# Altium PCB 直立车-PCB.PcbDoc
Units mm, origin at the board's own origin, x right, y up, seen from the top; angles counter-clockwise.
Board outline 72.2 x 39.8 mm, 2 copper layers (Top Layer, Bottom Layer); 118 components, 108 nets, 418 pads, 463 vias.
Unrouted connection lines stored in the file: 110.
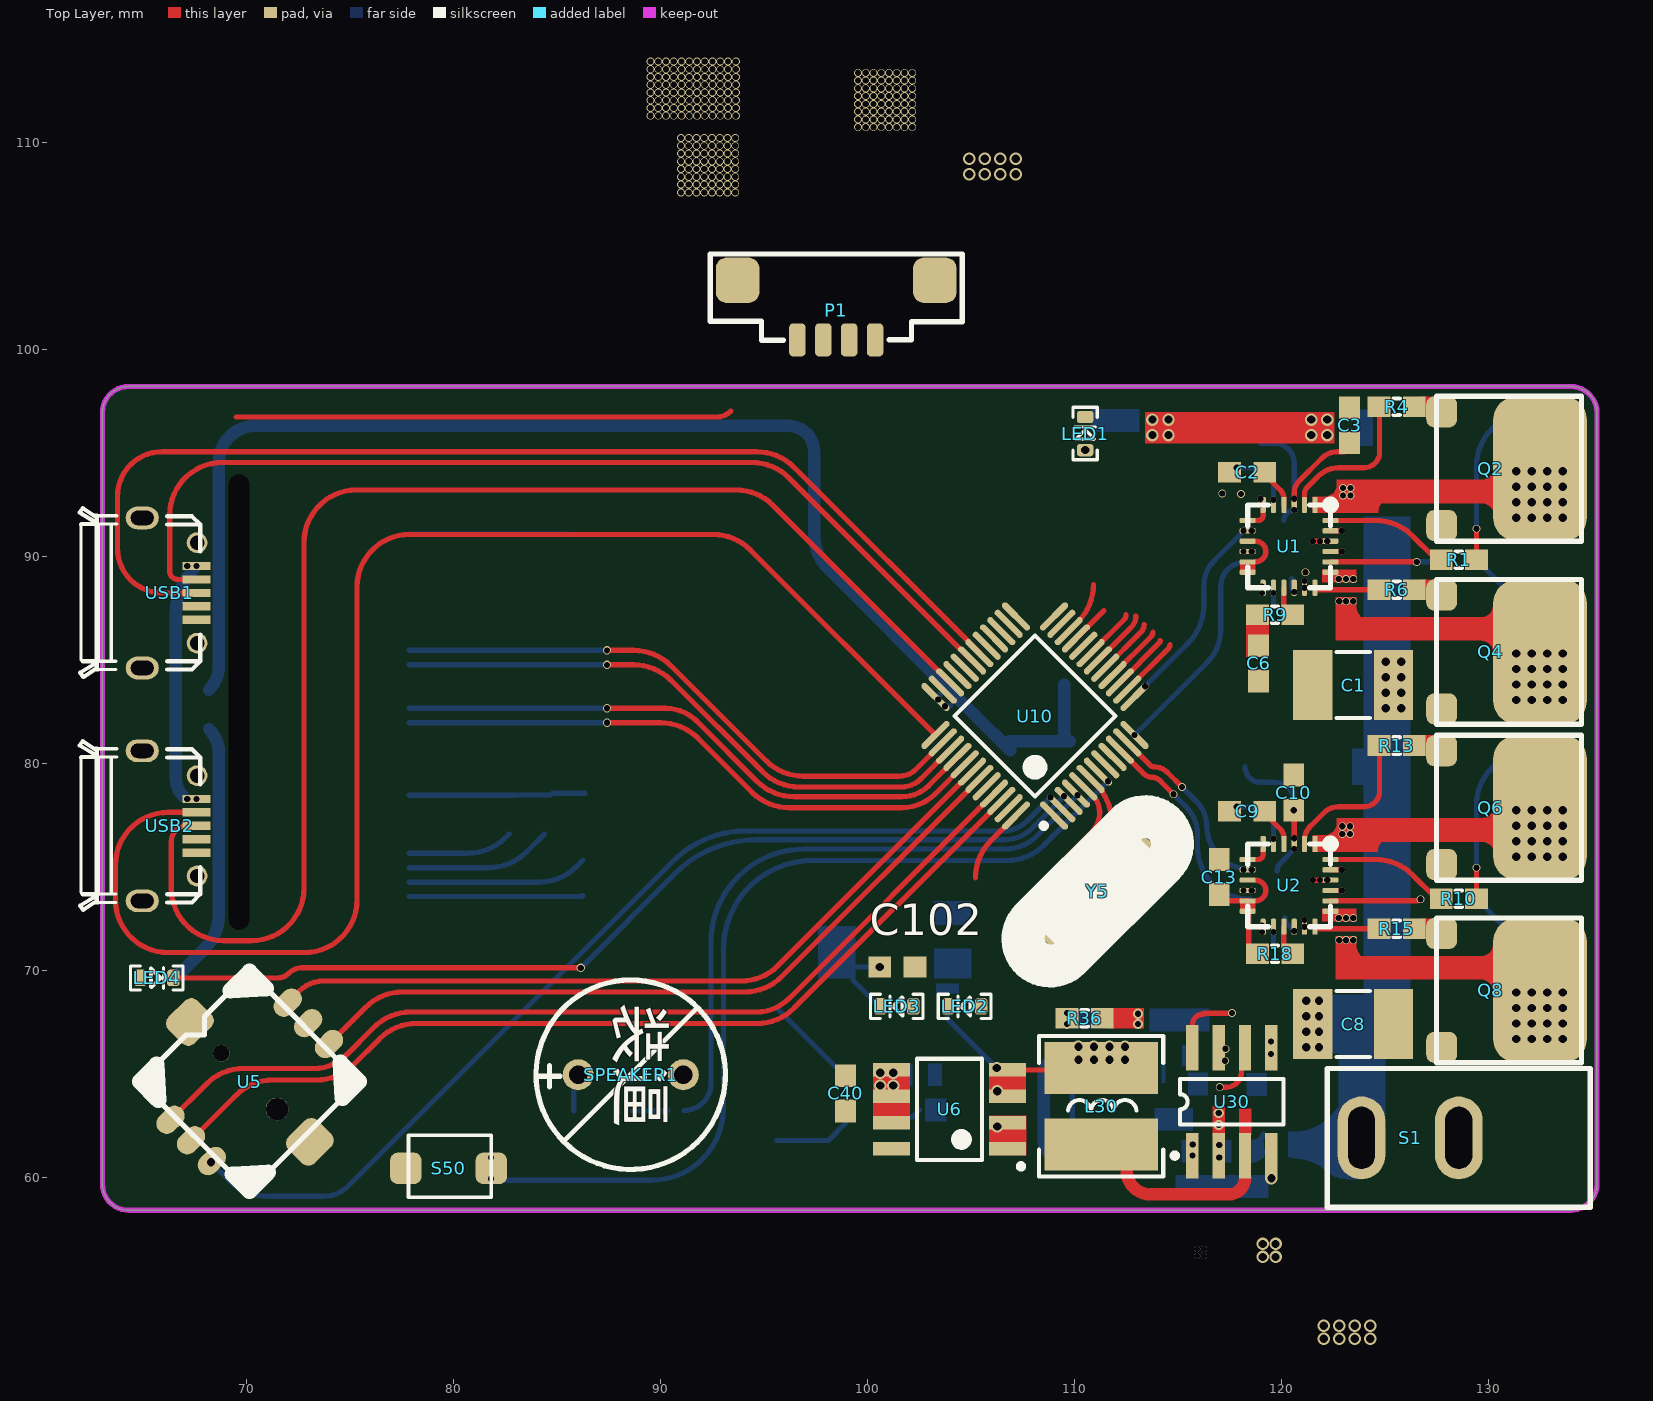
[diagram p0: Top Layer view]
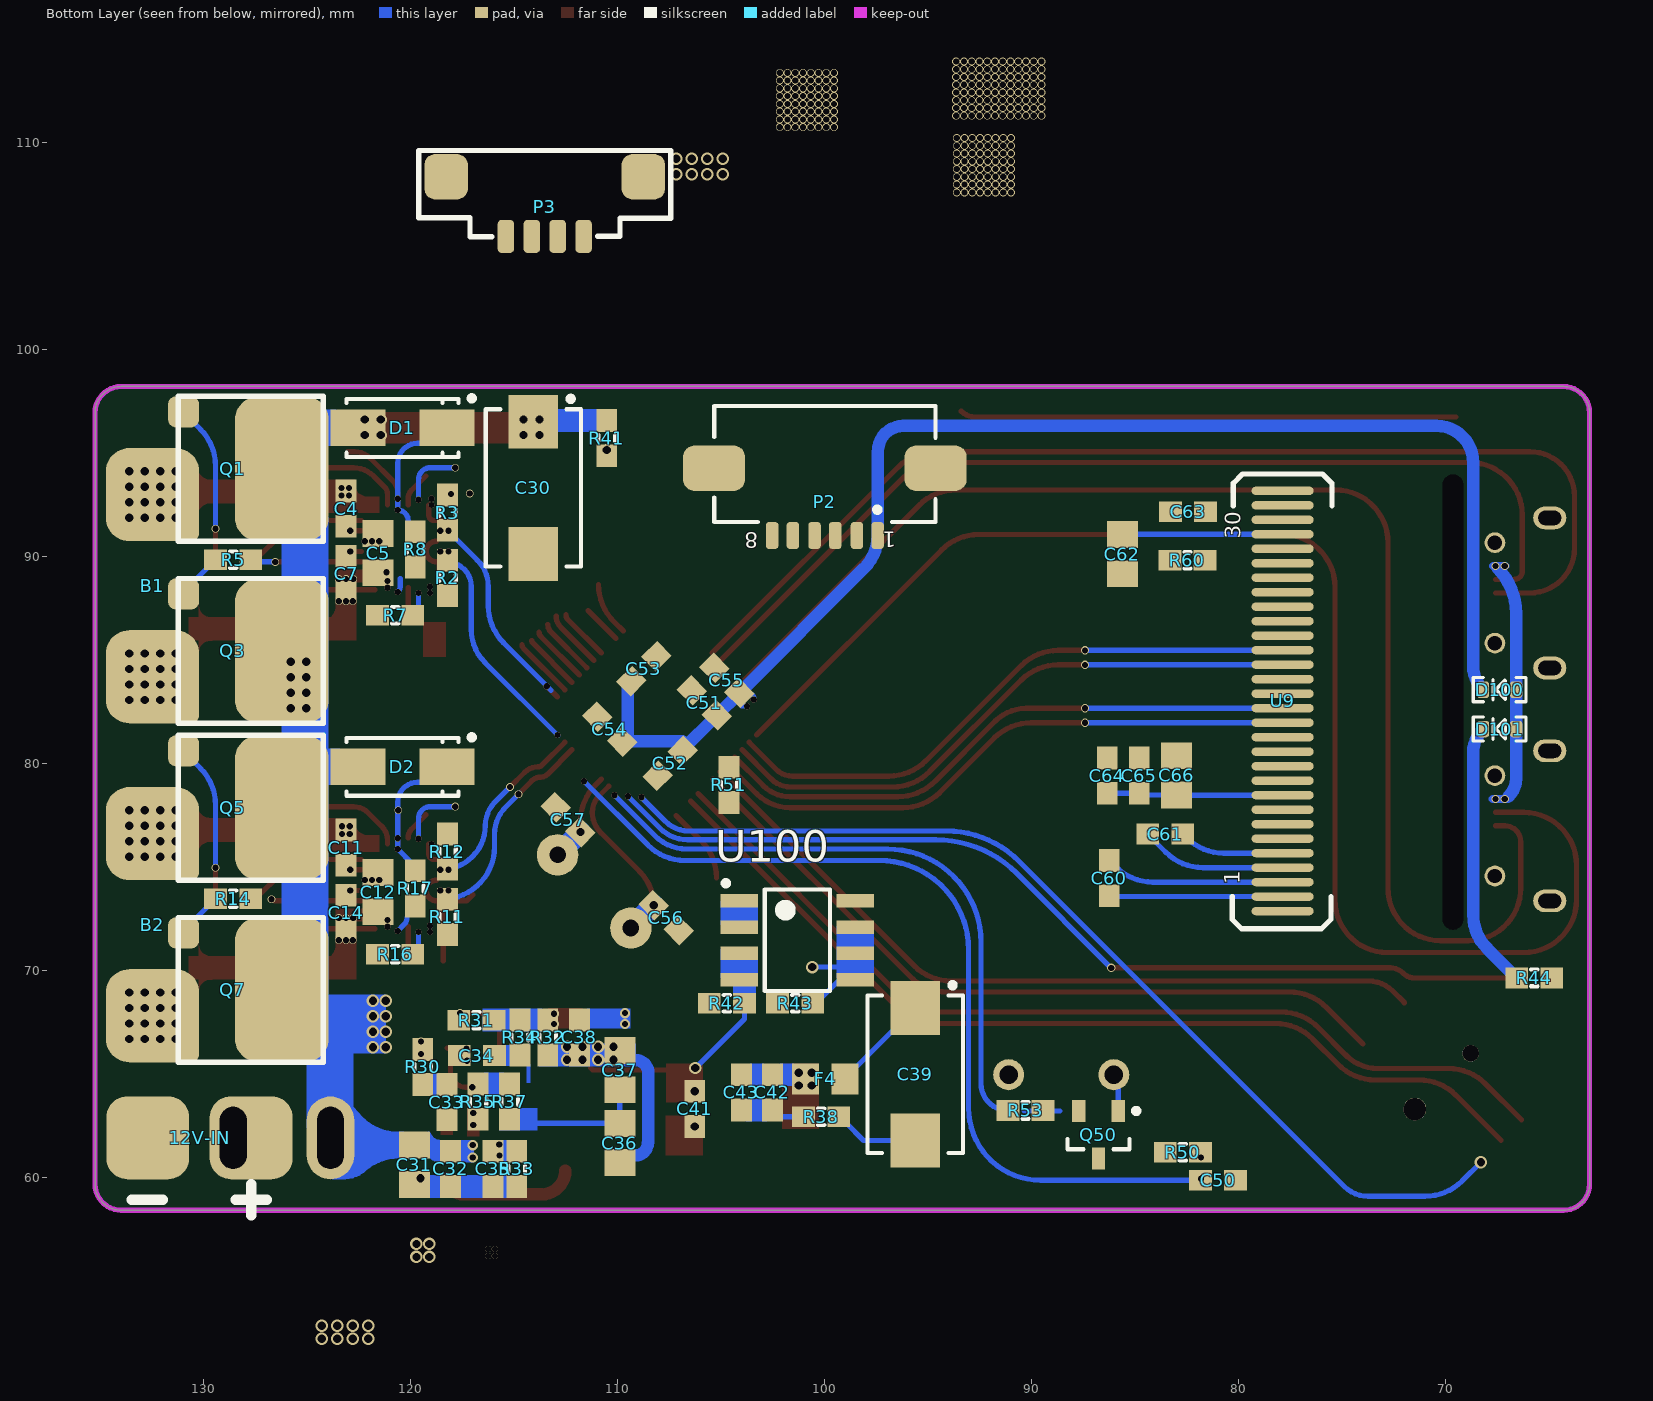
[diagram p1: Bottom Layer view, seen from below]

## Layer stack, top to bottom
Top Solder: solder mask 0.0102, Solder Resist, Dk 3.5
Top Layer: signal copper 0.0356
Dielectric 1: dielectric 0.32, FR-4, Dk 4.8
Bottom Layer: signal copper 0.0356
Bottom Solder: solder mask 0.0102, Solder Resist, Dk 3.5

## Board outline
64.295,58.4 133.955,58.4 ccw(c133.955,59.67) 135.225,59.67 135.225,96.93 ccw(c133.955,96.93) 133.955,98.2 64.295,98.2 ccw(c64.295,96.93) 63.025,96.93 63.025,59.67 ccw(c64.295,59.67)

## Design rules (kind name [scope] priority, off if disabled: settings)
Clearance [All] p1: gap=8
HoleSize [All] p1: absolutevalues=TRUE maxlimit=999 minlimit=0 maxpercent=80.000 minpercent=20.000
HoleToHoleClearance [All] p1: gap=0.127 allowstackedmicrovias=TRUE
MinimumSolderMaskSliver [All] p1: minsoldermaskwidth=0
PolygonConnect [All] p1: connectstyle=Relief reliefconductorwidth=0.254 reliefentries=4 polygonreliefangle="90 Angle" airgapwidth=0.254
RoutingVias [All] p1: holewidth=0.711 width=1.27 viastyle="Through Hole" minholewidth=0 minwidth=0 maxholewidth=999 maxwidth=999
SilkToSilkClearance [All] p1: silktosilkclearance=0
SilkToSolderMaskClearance [IsPad] p1: minsilkscreentomaskgap=0 clearancetoexposedcopper=TRUE
SolderMaskExpansion [All] p1: expansion=0.102
Width [All] p1: maxlimit=25.4 minlimit=0.127 preferedwidth=0.254
25 further rules are at their usual default settings.

## Components (designator, comment, footprint, x,y, rotation, side; value= is the part's Value field where it differs from the comment)
12V-IN "Power12" VBAT-2 127.675,61.9 r0 bottom
B1 "Motor Servo" "电机接口 - duplicate" 132.45,92.975 r270 top
B2 "Motor Servo" "电机接口 - duplicate" 132.45,76.6 r270 top
C1 "107/12V" CAPC4532[1812] 123.45,83.775 r0 top
C2 "470nF" CAPC1608[0603] 118.325,94.05 r180 top
C3 "104" CAPC1608[0603] 123.275,96.325 r270 top
C4 "105/12V" CAPC1608[0603] 123.1,92.3 r90 bottom
C5 "106/12V" CAPC2012[0805] 121.55,90.15 r90 bottom
C6 "104" CAPC1608[0603] 118.875,84.825 r270 top
C7 "105/12V" CAPC1608[0603] 123.1,89.15 r270 bottom
C8 "107/12V" CAPC4532[1812] 123.45,67.4 r180 top
C9 "470nF" CAPC1608[0603] 118.325,77.675 r180 top
C10 "104" CAPC1608[0603] 120.575,78.575 r270 top
C11 "105/12V" CAPC1608[0603] 123.1,75.925 r90 bottom
C12 "106/12V" CAPC2012[0805] 121.55,73.775 r90 bottom
C13 "104" CAPC1608[0603] 116.975,74.5 r90 top
C14 "105/12V" CAPC1608[0603] 123.1,72.775 r270 bottom
C30 "220uF/12V" CAPT7343 114.05,93.298 r270 bottom
C31 "22uF/12V" CAPC2012[0805] 119.8,60.6 r270 bottom
C32 "104" CAPC1608[0603] 118.05,60.4 r270 bottom
C33 "104" CAPC1608[0603] 118.225,63.625 r90 bottom
C34 "104" CAPC1608[0603] 116.775,65.875 r180 bottom
C35 "102" CAPC1608[0603] 116,60.4 r270 bottom
C36 "22uF" CAPC2012[0805] 109.875,61.65 r270 bottom
C37 "22uF" CAPC2012[0805] 109.875,65.175 r90 bottom
C38 "330nf" CAPC1608[0603] 111.825,66.75 r90 bottom
C39 "Cap Pol2" CAPT7343 95.6,64.975 r270 bottom
C40 "104" CAPC1608[0603] 98.925,64.05 r90 top
C41 "104" CAPC1608[0603] 106.25,63.3 r270 bottom
C42 "104" CAPC1608[0603] 102.5,64.1 r90 bottom
C43 "106/3V3" CAPC1608[0603] 104,64.1 r90 bottom
C50 "104" CAPC1608[0603] 80.975,59.85 r0 bottom
C51 "104" CAPC1608[0603] 105.791,82.914 r225 bottom
C52 "104" CAPC1608[0603] 107.442,79.993 r135 bottom
C53 "104" CAPC1608[0603] 108.712,84.565 r315 bottom
C54 "104" CAPC1608[0603] 110.363,81.644 r225 bottom
C55 "104" CAPC1608[0603] 104.7,84 r225 bottom
C56 "22pF" CAPC1608[0603] 107.638,72.538 r45 bottom
C57 "22pF" CAPC1608[0603] 112.376,77.276 r225 bottom
C60 "105" CAPC1608[0603] 86.225,74.45 r90 bottom
C61 "105" CAPC1608[0603] 83.525,76.575 r180 bottom
C62 "4.7uf" CAPC2012[0805] 85.6,90.1 r270 bottom
C63 "2.2uf" CAPC1608[0603] 82.425,92.15 r0 bottom
C64 "104" CAPC1608[0603] 86.325,79.4 r90 bottom
C65 "105" CAPC1608[0603] 84.775,79.4 r90 bottom
C66 "106/3V3" CAPC2012[0805] 82.977,79.408 r90 bottom
C102 "Cap Pol2" CAPC1608[0603] 101.425,70.15 r0 top
D1 "1N5819" SMA[DO-214AC] 120.375,96.2 r180 bottom
D2 "1N5819" SMA[DO-214AC] 120.375,79.825 r180 bottom
D100 "1N4148" LED-0603 66.575,83.55 r0 bottom
D101 "1N4148" LED-0603 66.575,81.65 r0 bottom
F4 "500mA" CAPC2012[0805] 99.95,64.75 r0 bottom
L30 "4.7uH" CD52 111.275,63.425 r90 top
LED1 "Red" LED-0603 110.5,95.125 r90 top
LED2 "Red" LED-0603 105.475,68.25 r180 top
LED3 "Red" LED-0603 102.2,68.25 r180 top
LED4 "Red" LED-0603 64.85,69.625 r0 top
P1 "" MK1.25_4P立 98.475,101.425 r180 top
P2 "陀螺仪、编码器" 6P-卧头 99.975,92.625 r0 bottom
P3 "" MK1.25_4P立 113.5,106.425 r0 bottom
Q1 "NMOS-2" IR7843-mg 131.2,97.725 r270 bottom
Q2 "NMOS-2" IR7843-mg 127.475,97.725 r270 top
Q3 "NMOS-2" IR7843-mg 131.2,88.925 r270 bottom
Q4 "NMOS-2" IR7843-mg 127.475,88.875 r270 top
Q5 "NMOS-2" IR7843-mg 131.2,81.35 r270 bottom
Q6 "NMOS-2" IR7843-mg 127.475,81.35 r270 top
Q7 "NMOS-2" IR7843-mg 131.2,72.55 r270 bottom
Q8 "NMOS-2" IR7843-mg 127.475,72.525 r270 top
Q50 "NPN" SOT23 86.75,62.05 r270 bottom
R1 "4R7" RESC1608[0603] 128.55,89.825 r180 top
R2 "10K" RESC1608[0603] 118.2,88.95 r270 bottom
R3 "10K" RESC1608[0603] 118.2,92.1 r90 bottom
R4 "4R7" RESC1608[0603] 125.55,97.225 r0 top
R5 "4R7" RESC1608[0603] 128.55,89.825 r180 bottom
R6 "4R7" RESC1608[0603] 125.55,88.375 r0 top
R7 "20K" RESC1608[0603] 120.725,87.15 r0 bottom
R8 "22K" RESC1608[0603] 119.75,90.325 r90 bottom
R9 "10K" RESC1608[0603] 119.675,87.175 r0 top
R10 "4R7" RESC1608[0603] 128.55,73.45 r180 top
R11 "10K" RESC1608[0603] 118.2,72.575 r270 bottom
R12 "10K" RESC1608[0603] 118.2,75.725 r90 bottom
R13 "4R7" RESC1608[0603] 125.55,80.85 r0 top
R14 "4R7" RESC1608[0603] 128.55,73.45 r180 bottom
R15 "4R7" RESC1608[0603] 125.55,72 r0 top
R16 "20K" RESC1608[0603] 120.725,70.775 r0 bottom
R17 "22K" RESC1608[0603] 119.75,73.95 r90 bottom
R18 "10K" RESC1608[0603] 119.675,70.8 r0 top
R30 "20" RESC1608[0603] 119.4,65.325 r90 bottom
R31 "20K" RESC1608[0603] 116.8,67.575 r0 bottom
R32 "40.2K" RESC1608[0603] 113.35,66.75 r270 bottom
R33 "75K" RESC1608[0603] 114.85,60.4 r90 bottom
R34 "7.5K" RESC1608[0603] 114.7,66.75 r270 bottom
R35 "100K" RESC1608[0603] 116.725,63.65 r270 bottom
R36 "0" RESC1608[0603] 110.475,67.675 r180 top
R37 "10k" RESC1608[0603] 115.2,63.65 r90 bottom
R38 "0" RESC1608[0603] 100.15,62.925 r0 bottom
R41 "10K" RESC1608[0603] 110.5,95.7 r90 bottom
R42 "4.7K" RESC1608[0603] 104.7,68.4 r180 bottom
R43 "4.7K" RESC1608[0603] 101.4,68.4 r180 bottom
R44 "4.7K" RESC1608[0603] 65.7,69.625 r0 bottom
R50 "10K" RESC1608[0603] 82.675,61.2 r0 bottom
R51 "10K" RESC1608[0603] 104.6,78.95 r270 bottom
R53 "1K" RESC1608[0603] 90.275,63.225 r180 bottom
R60 "910k" RESC1608[0603] 82.45,89.8 r180 bottom
S1 "switch" 2(-1)脚3A开关-立 123.85,61.9 r0 top
S50 "SW-PB" key3*4*2 79.75,60.425 r0 top
SPEAKER1 "有源蜂鸣器" СBeep 88.55,64.95 r180 top
U1 "A4957" QFN-24 120.35,90.475 r270 top
U2 "A4957" QFN-24 120.35,74.1 r270 top
U5 "五向按键" 5向key-小 70.15,64.6 r45 top
U6 "TPS7333" SOIC8 103.95,63.275 r180 top
U9 "oled" oled 77.854,83.007 r90 bottom
U10 "STM32F101CBT6" LQFP48_N 108.077,82.279 r135 top
U30 "MP2315" MP2315用SOP8 115.681,61.044 r90 top
U100 "TPS7333" SOIC8 101.3,71.45 r180 bottom
USB1 "USB-5P" "Micro USB 牛角" 66.275,88.225 r90 top
USB2 "USB-5P" "Micro USB 牛角" 66.275,76.975 r90 top
Y5 "Frequency" XTAL-PINGBI 112.875,75.575 r225 top

## Footprints (in the part's own frame and the unit in brackets; to place one, negate y for a bottom-side part, rotate by r counter-clockwise, add the part's x,y. Pads: shape width x height; smd on the part's side, far side on the other; paste and mask are expansions set on the pad)
2(-1)脚3A开关-立 [mm]
  oval 2.3x4 hole 1.3 slot 3 at 90 deg: 1(0,0) 2(4.7,0)
  silkscreen extent -1.65,-3.35 11.05,3.35
5向key-小 [mm]
  rrect50% 2x1.8 smd: 0(0,4.096) 0(0.004,-4.096)
  oval 1.524x1 smd: 1(-4,1.419) 2(-4.001,0.022) 3(-4.001,-1.403) 4(4,1.419) 5(4.001,0.022) 6(4.001,-1.403)
  round 0.8 hole 0.8: 1(0.004,1.949)
  round 1.1 hole 1.1: 2(0.004,-1.861)
  silkscreen extent -3.75,-3.71 3.75,3.79
6P-卧头 [mm]
  rrect50% 0.6x1.3 smd: 1(-2.556,1.625) 2(-1.556,1.625) 3(-0.509,1.625) 4(0.491,1.625) 5(1.539,1.625) 6(2.539,1.625)
  rrect50% 3x2.2 smd: 9(5.347,-1.626) 10(-5.356,-1.626)
  silkscreen extent -5.36,-4.62 5.34,0.98
CAPC1608[0603] [mm] "Chip Capacitor, 2-Leads, Body 1.60x0.80mm, IPC Medium Density"
  rect 1.1x1 smd: 1(-0.85,0) 2(0.85,0)
  body extent -0.88,-0.48 0.87,0.47, height 0.85
CAPC2012[0805] [mm] "Chip Capacitor, 2-Leads, Body 2.00x1.25mm, IPC Medium Density"
  rect 1.3x1.5 smd: 1(-0.95,0) 2(0.95,0)
  body extent -1.1,-0.72 1.1,0.72, height 1.1
CAPC4532[1812] [mm] "Chip Capacitor, 2-Leads, Body 4.50x3.20mm, IPC Medium Density"
  rect 1.9x3.4 smd: 1(-1.95,0) 2(1.95,0)
  silkscreen extent -0.8,-1.6 0.8,1.6, body extent -2.4,-1.7 2.4,1.7, height 1.35
CAPT7343 [mm] "Molded Tantalum Capacitor, 2-Leads, Body 7.30x4.30mm, IPC Medium Density"
  rect 2.6x2.4 smd: 1(-3.2,0) 2(3.2,0)
  silkscreen extent -4.42,-2.3 3.8,2.3, body extent -3.65,-2.15 3.65,2.15, height 2.9
CD52 [mm]
  rect 2.5x5.5 smd: 1(-1.85,0) 2(1.85,0)
  silkscreen extent -3.4,-3 3.4,3, body extent -2.6,-2.86 2.6,2.86, height 3.4
IR7843-mg [mm]
  rrect50% 1.5x1.5 smd: 1(0.75,0.25) 3(6.25,0.25)
  rrect50% 7x4.53 smd: 2(3.5,5)
  silkscreen extent 0,0 7,7
key3*4*2 [mil]
  rrect50% 60x60 smd: 1(-81.24,0) 2(81.24,0)
  silkscreen extent -76,-55 81,63
LED-0603 [mm]
  rrect50% 0.6x0.8 smd: 1(0,0) 2(1.6,0)
  silkscreen extent -0.47,-0.58 2.07,0.58
LQFP48_N [mm] "Thin QFP, 48-Leads, Body 7x7mm, Pitch 0.5mm, IPC Medium Density"
  oval 1.8x0.3 smd: 1(-4.05,2.75) 2(-4.05,2.25) 3(-4.05,1.75) 4(-4.05,1.25) 5(-4.05,0.75) 6(-4.05,0.25) 7(-4.05,-0.25) 8(-4.05,-0.75) 9(-4.05,-1.25) 10(-4.05,-1.75) 11(-4.05,-2.25) 12(-4.05,-2.75) 25(4.05,-2.75) 26(4.05,-2.25) 27(4.05,-1.75) 28(4.05,-1.25) 29(4.05,-0.75) 30(4.05,-0.25) 31(4.05,0.25) 32(4.05,0.75) 33(4.05,1.25) 34(4.05,1.75) 35(4.05,2.25) 36(4.05,2.75)
  oval 0.3x1.8 smd: 13(-2.75,-4.05) 14(-2.25,-4.05) 15(-1.75,-4.05) 16(-1.25,-4.05) 17(-0.75,-4.05) 18(-0.25,-4.05) 19(0.25,-4.05) 20(0.75,-4.05) 21(1.25,-4.05) 22(1.75,-4.05) 23(2.25,-4.05) 24(2.75,-4.05) 37(2.75,4.05) 38(2.25,4.05) 39(1.75,4.05) 40(1.25,4.05) 41(0.75,4.05) 42(0.25,4.05) 43(-0.25,4.05) 44(-0.75,4.05) 45(-1.25,4.05) 46(-1.75,4.05) 47(-2.25,4.05) 48(-2.75,4.05)
  silkscreen extent -4.17,-2.75 2.75,3.57, body extent -3.5,-3.5 3.5,3.5, height 1.6
"Micro USB 牛角" [mm]
  oval 1.1x1.6 hole 0.7 slot 1.1 at 90 deg: 0(-3.625,1.325) 0(3.625,1.325)
  round 1 hole 0.7: 0(-2.425,-1.325) 0(2.425,-1.325)
  rect 0.4x1.35 smd: 1(1.3,-1.3) 2(0.65,-1.3) 3(0,-1.3) 4(-0.65,-1.3) 5(-1.3,-1.3)
  silkscreen extent -4.06,-1.48 4.09,4.36
MK1.25_4P立 [mm]
  rrect50% 2.1x2.2 smd: 0(-4.764,-1.905) 0(4.764,-1.905)
  rrect50% 0.8x1.6 smd: 1(-1.875,0.974) 2(-0.625,0.974) 3(0.625,0.974) 4(1.875,0.974)
  silkscreen extent -6.08,-3.17 6.08,0.99
MP2315用SOP8 [mm]
  rect 2.2x0.6 smd: 1(0,0) 2(0,-1.27) 3(0,-2.54) 4(0,-3.81) 5(5.2,-3.81) 6(5.2,-2.54) 7(5.2,-1.27) 8(5.2,0)
  silkscreen extent -0.12,-4.4 3.7,0.97
oled [mm]
  oval 0.4x3 smd: 1(-10.153,0) 2(-9.453,0) 3(-8.752,0) 4(-8.052,0) 5(-7.352,0) 6(-6.652,0) 7(-5.952,0) 8(-5.251,0) 9(-4.551,0) 10(-3.851,0) 11(-3.151,0) 12(-2.451,0) 13(-1.75,0) 14(-1.05,0) 15(-0.35,0) 16(0.35,0) 17(1.05,0) 18(1.75,0) 19(2.451,0) 20(3.151,0) 21(3.851,0) 22(4.551,0) 23(5.251,0) 24(5.952,0) 25(6.652,0) 26(7.352,0) 27(8.052,0) 28(8.752,0) 29(9.453,0) 30(10.153,0)
  silkscreen extent -11,-2.39 10.97,2.44
QFN-24 [mm]
  rect 0.775x0.25 smd: 1(-2,1.25)
  rrect50% 0.775x0.25 smd: 2(-2,0.75) 3(-2,0.25) 4(-2,-0.25) 5(-2,-0.75) 6(-2,-1.25) 13(2,-1.25) 14(2,-0.75) 15(2,-0.25) 16(2,0.25) 17(2,0.75) 18(2,1.25)
  rrect50% 0.25x0.775 smd: 7(-1.25,-2) 8(-0.75,-2) 9(-0.25,-2) 10(0.25,-2) 11(0.75,-2) 12(1.25,-2) 19(1.25,2) 20(0.75,2) 21(0.25,2) 22(-0.25,2) 23(-0.75,2) 24(-1.25,2)
  silkscreen extent -2.28,-2 2,2.28
RESC1608[0603] [mm] "Chip Resistor, 2-Leads, Body 1.60x0.82mm, IPC Medium Density"
  rect 1.1x1 smd: 1(-0.85,0) 2(0.85,0)
  silkscreen extent -0.15,-0.4 0.15,0.4, body extent -0.8,-0.4 0.8,0.4, height 0.45
SMA[DO-214AC] [mm] "Molded Diode, 2-Leads, Body 5.00x2.49mm, IPC Medium Density"
  rect 2.65x1.75 smd: A(-2.15,0) K(2.15,0)
  silkscreen extent -2.7,-1.4 3.47,1.55, body extent -2.9,-1.46 2.91,1.46, height 2.3
SOIC8 [mm] "SOIC,1.27mm pitch;8 pin,3.90mm W X 4.88mm L X 1.73mm H body"
  rect 1.8x0.65 smd: 1(-2.8,1.905) 2(-2.8,0.635) 3(-2.8,-0.635) 4(-2.8,-1.905) 5(2.8,-1.905) 6(2.8,-0.635) 7(2.8,0.635) 8(2.8,1.905)
  silkscreen extent -3.58,-2.45 1.58,2.87, body extent -3.11,-2.45 3.11,2.45, height 1.75
SOT23 [mm] "SOT23, 3-Leads, Body 2.90x2.40mm, Pitch 0.95mm, IPC Medium Density"
  rect 1.05x0.65 smd: 1(-1.15,0.95) 2(-1.15,-0.95) 3(1.15,0)
  silkscreen extent -1.27,-1.5 0.7,1.95, body extent -1.4,-1.45 1.4,1.45, height 1.2
VBAT-2 [mm]
  rrect50% 4x4 smd: 1(0,0) 2(5,0)
  silkscreen extent -0.75,2.25 5.77,3.75
XTAL-PINGBI [mm]
  round 2 hole 0.8: 1(0,0) 2(5,0)
  silkscreen extent -3,-2.25 8,2.26, body extent -2.95,-2.26 7.85,2.24, height 3.5
СBeep [mm]
  round 1.5 hole 0.9: 1(2.54,0) 2(-2.54,0)
  silkscreen extent -4.57,-4.58 4.58,4.57
"电机接口 - duplicate" [mm]
  rrect50% 4.5x4.5 smd far side: 1(0,0) 2(8.8,0)

## Part data
B1 B2: "Servo Motor"
C1 C2 C3 C4 C5 C6 C7 C8 C9 C10 C11 C12 C13 C14 C41 C42 C43 C50 C51 C52 C53 C54 C55 C56 C57: library part "Cap Chip 2", "Chip Capacitor, Silkscreen Border"
C30 C31 C32 C33 C34 C35 C36 C37 C38 C40: library part "Cap Chip 1", "Chip Capacitor, PSpice Model"
C39 C102: "Polarized Capacitor (Axial)"
C60 C61 C62 C63 C64 C65 C66: library part ECAP
D1 D2: library part Diode, "Default Diode"
D100 D101: library part "Diode 1N4148", "SMT Glass Diode, PSpice Model"
F4: library part "Fuse chip", "Fuse"
L30: library part "Ind Power", "Power Inductor, Ferrite-Core"
LED1 LED2 LED3 LED4: library part "LED Chip", "Typical Chip LED"
P1 P3: library part "Header 4", "Header, 4-Pin"
P2: library part "Header 6", "Header, 6-Pin"
Q1 Q2 Q3 Q4 Q5 Q6 Q7 Q8: "N-Channel Power MOSFET"
Q50: "NPN Transistor"
R1 R4 R5 R6 R7 R8 R9 R10 R13 R14 R15 R16 R17 R18: library part "Res Chip 2p 2", "Chip Resistor, Border Silkscreen On PCB Library"
R2 R3 R11 R12: library part R-10K, "resistor"
R30 R31 R32 R33 R34 R35 R36 R37 R38 R41 R42 R43 R44 R50 R51: library part "Res Chip 2p 1", "Chip Resistor, PSpice Model, IPC PCB Library Drawing"
R53: library part RES
R60: library part 1K, "CR85-102J"
S50: "Switch"
U1 U2: "A4957SESTR-T"
U6 U100: library part TPS73xx
U9: library part OLED_1306
U10: "STM32 ARM-based 32-bit MCU with 128 Kbytes Flash, 48-pin LQFP, Industrial Temperature"
USB1 USB2: "USB CONNECTOR"
Y5: library part XTAL, "Crystal Oscillator"

## Free pads (board coordinates)
  round 0 hole 1 slot 22 at 90 deg: 0(69.625,82.95)

## Via types
v1: diameter 0.38, hole 0.3, Top Layer to Bottom Layer, tented both sides, 264 vias
v2: diameter 0.6, hole 0.4, Top Layer to Bottom Layer, tented both sides, 129 vias
v3: diameter 0.3, hole 0.3, Top Layer to Bottom Layer, tented both sides, 51 vias
v4: diameter 0.4, hole 0.3, Top Layer to Bottom Layer, tented both sides, 11 vias
v5: diameter 0.5, hole 0.3, Top Layer to Bottom Layer, tented both sides, 8 vias
